# Allegro board RK_EVB1_RK3576_LP4XD200P132SD6_V12_20240530YWQ.brd (continued)
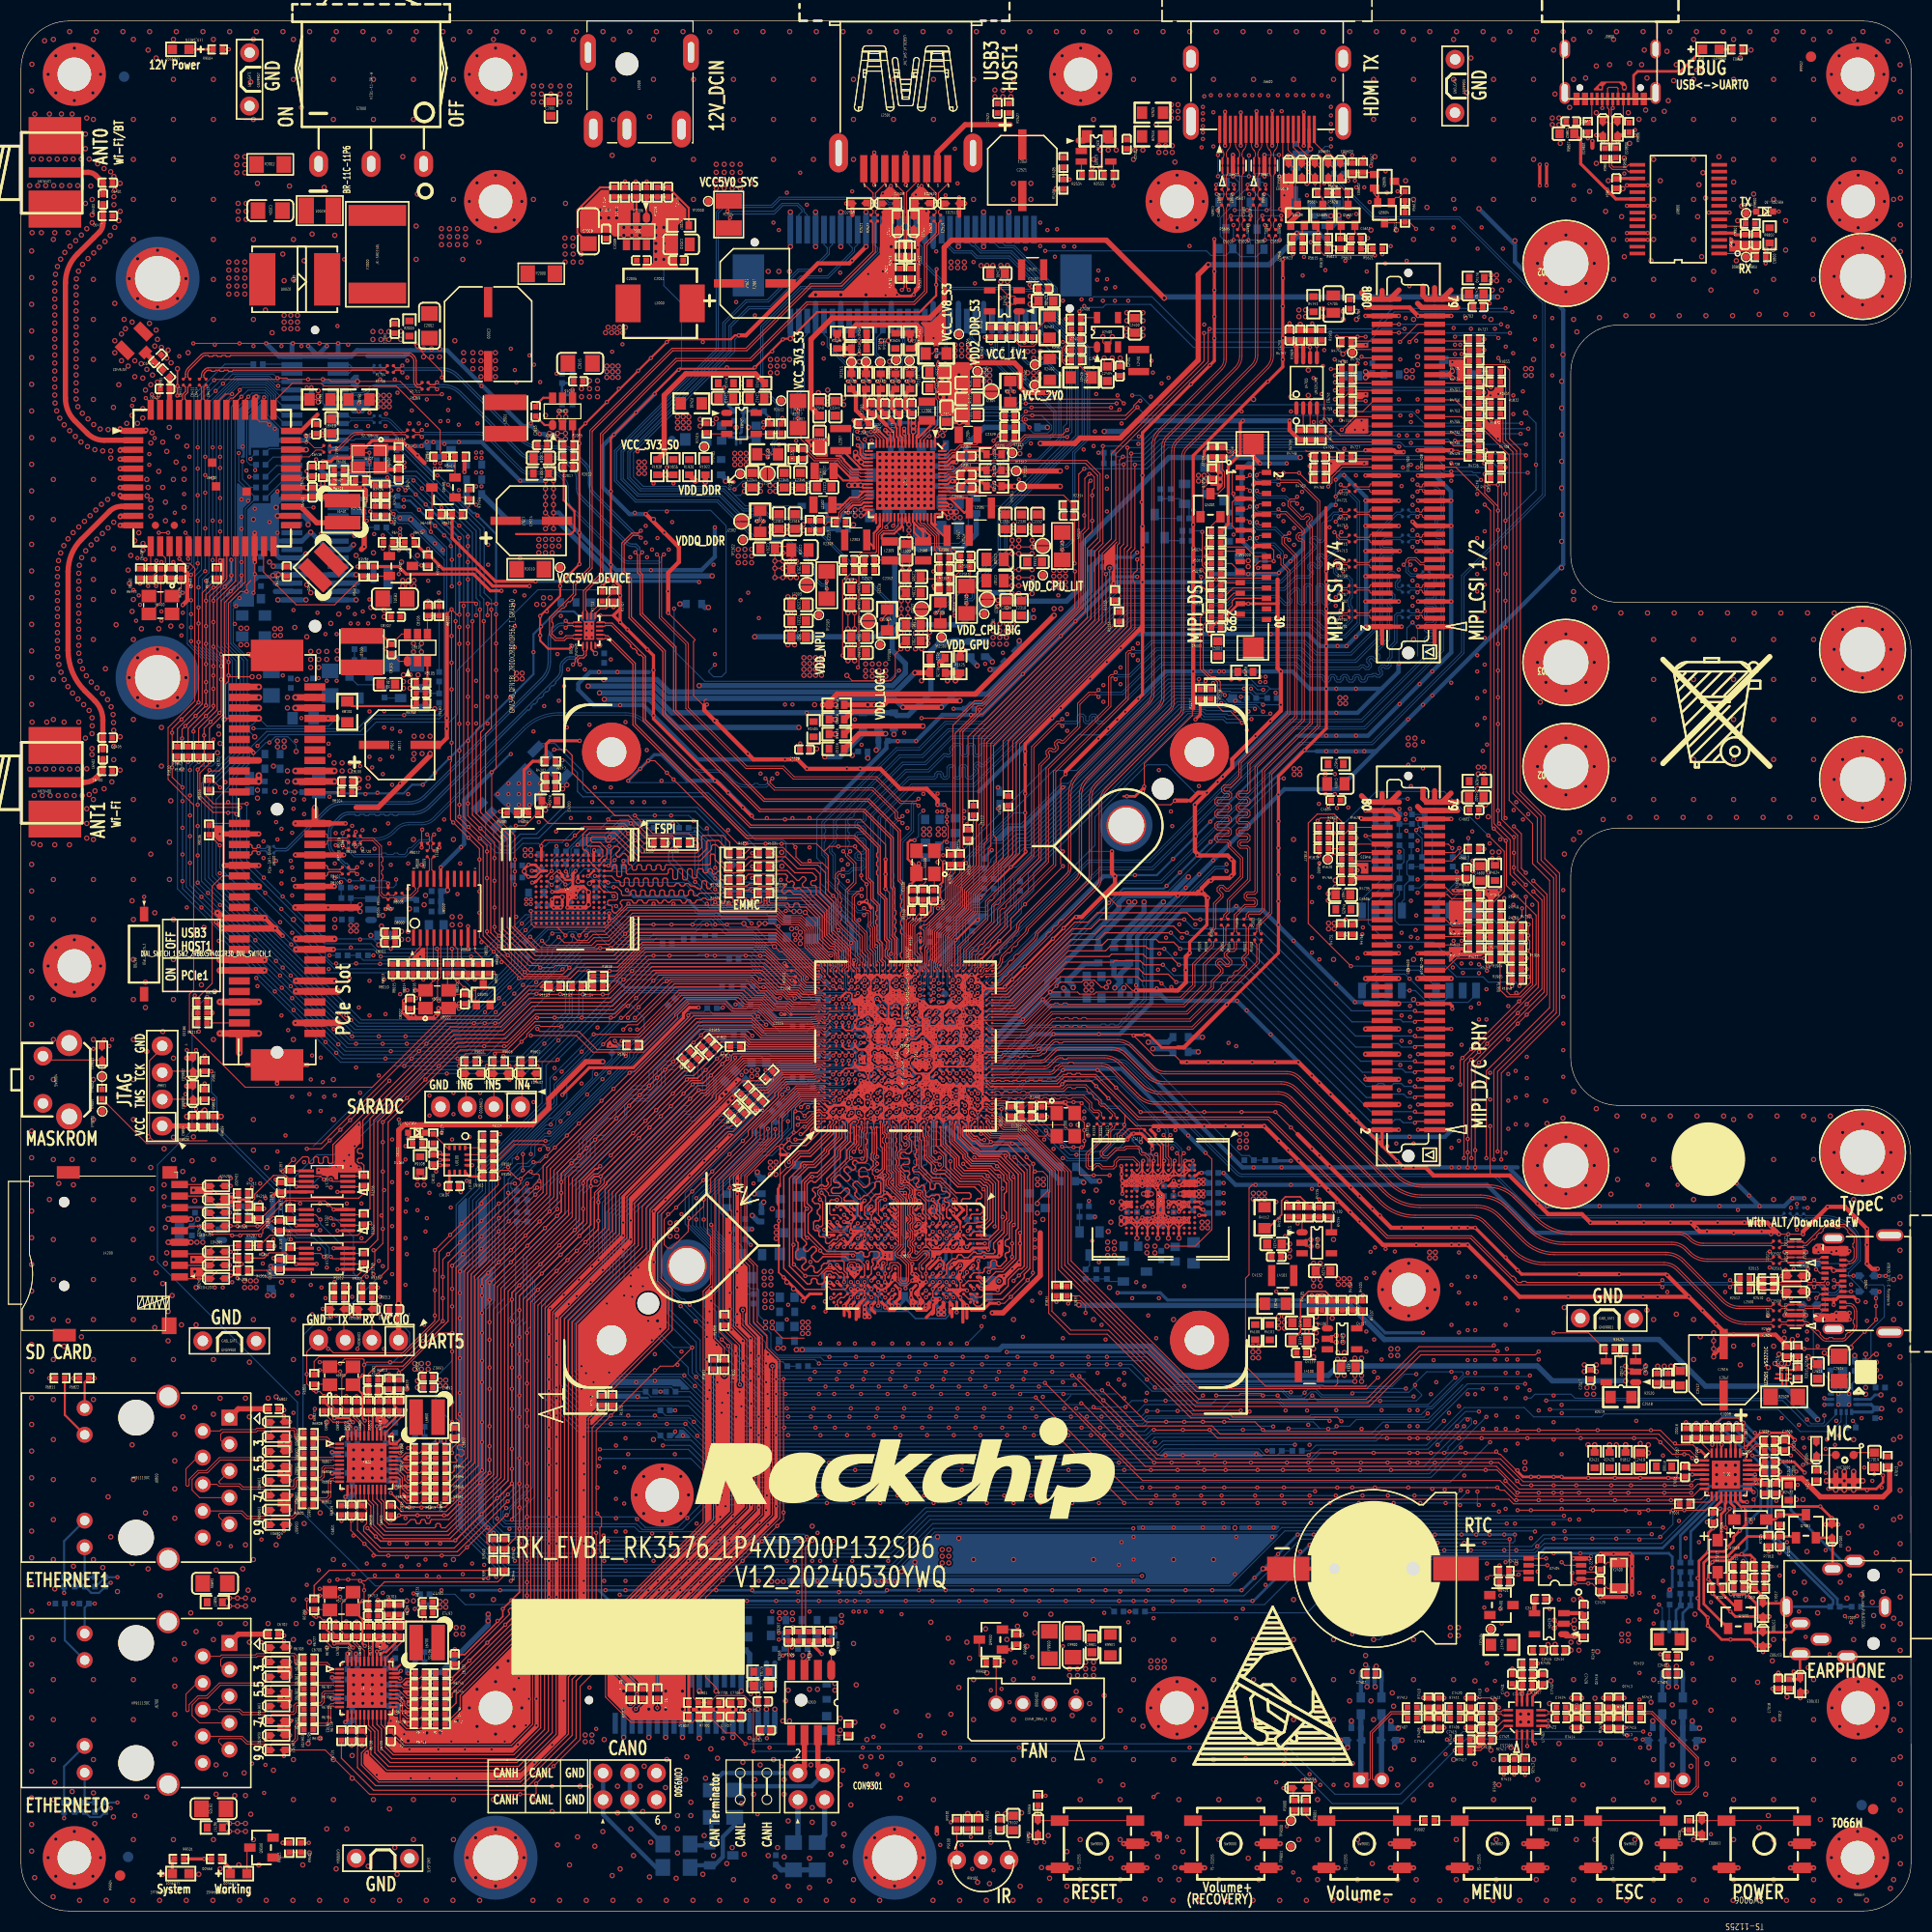
[diagram p0: board, top side]
## Routing (per net, layer and track width the routed paths; a pad name or vN(x,y) marks a point on that pad's centre or on a via; arc(x,y) is an arc through that point) (continued)
  BOTTOM w0.102: C1038.2 72.14,93.81 v1(72.14,93.79) ; C1038.2 72.35,95.2 v2(73.62,95.2) ; C1038.2 70.99,94.97 66.94,94.97 66.39,95.52 65.59,95.52 63.16,97.94 v1(55.92,97.94) 55.92,97.99 54.9,99 54.44,99 v1(54,98.57) 54.17,98.57 54.52,98.21 54.85,98.21 v1(56.43,96.63) ; v1(43.35,123.39) v1(43.35,124.5) ; v1(22.77,67.51) 22.27,67.51 R4202.2 ; v1(39.66,136.72) 39.79,136.72 v1(40.68,135.83) ; v1(63.92,53.67) 61.13,56.46 61.13,58.42 60.43,59.13 60.18,59.13 60.06,59.25 58.69,59.25 58.21,58.77 v1(58.21,58.49) 58.21,57.48 59.35,56.33 59.6,56.33 v1(59.73,56.21) 59.73,56.08 62.14,53.67 v1(63.92,53.67) ; v1(63.92,53.67) 63.92,51.25 v1(64.3,50.87) v1(65.57,49.6) v1(66.78,48.4) v1(68.11,47.06) 69.01,46.16 69.38,46.16 v1(69.51,46.03) 70.95,46.03 v1(70.96,46.05) 70.97,46.03 v1(72.68,46.03) v1(75.67,46.03) v1(77.51,46.03) v1(80.75,46.03) v1(83.29,46.03) v1(85.83,46.03) v1(88.37,46.03) v1(90.91,46.03) v1(93.45,46.03) v1(95.59,46.03) v1(101.01,46.03) v1(102.78,46.03) v1(104.56,46.03) 104.69,46.16 106.96,46.16 107.39,46.59 v1(109.06,46.59) v1(110.78,46.59) v1(112.56,46.59) v1(114.59,46.59) 123.07,46.59 123.71,45.95 ; v1(137.13,40.08) 136.62,39.57 v1(132.71,39.57) v1(130.17,39.57) v1(127.76,39.57) v1(125.22,39.57) v1(122.72,39.57) 122.72,39.56 120.08,39.56 v1(120.07,39.57) v1(117.53,39.57) v1(114.34,39.57) v1(112.39,39.57) v1(109.85,39.57) 109.85,39.56 108.12,39.56 v1(108.12,39.57) v1(101.26,39.57) v1(96.18,39.57) v1(93.64,39.57) v1(91.1,39.57) v1(88.56,39.57) v1(86.02,39.57) v1(83.48,39.57) v1(80.94,39.57) v1(78.4,39.57) v1(75.86,39.57) v1(72.68,39.57) v1(71.03,39.57) v1(68.09,39.57) v1(66.72,39.57) 65.6,39.57 v1(63.46,37.43) 62.56,36.54 59.46,36.54 v1(58.67,37.33) 58.46,37.54 v1(53.6,37.54) v1(50.99,37.54) v1(50.28,37.54) v1(48.19,37.54) 47.81,37.16 46.85,37.16 46.75,37.26 v1(46.75,37.27) ; C2505.2 v1(177.11,46.94) ; 104.31,49.24 v1(99.28,49.24) 99.13,49.39 95.31,49.39 v1(95.16,49.24) v1(92.69,49.24) v1(90.15,49.24) v1(87.61,49.24) v1(85.07,49.24) v1(82.53,49.24) v1(79.99,49.24) v1(77.45,49.24) v1(75.99,49.24) v1(72.81,49.24) v1(71.91,49.24) v1(71.1,49.24) 70.96,49.24 70.88,49.32 70.55,49.32 66.25,53.63 ; v1(48.55,95.24) 48.57,95.22 55.08,95.22 55.69,95.83 56.56,95.83 v1(56.68,95.7) 57.06,95.32 64.05,95.32 64.46,94.91 66.05,94.91 67.01,93.95 v1(67.23,93.95) 67.49,93.69 69.91,93.69 v2(71.76,91.84) 71.97,91.63 76.37,91.63 ; C3815.2 82.29,59.86 v1(82.29,59.89) 82.29,59.93 C3840.2 82.28,60.64 82.28,60.68 v1(82.3,60.71) ; C3815.2 82.29,59.14 v1(82.29,59.09) ; C3815.2 81.64,59.21 v1(81.64,59.09) ; v1(116.89,159.14) 117.08,158.96 Q5600.2 ; v1(116.89,159.14) v1(115.47,159.14) v1(115.47,160.56) ; v1(116.89,159.14) v1(118.47,159.14) ; v1(116.89,159.14) v1(116.89,160.56) ; v1(115.42,165.21) 115.29,165.34 114.13,165.34 v1(114,165.21) v1(114,167.24) ; v1(115.42,165.21) 116.94,165.21 v1(116.94,165.21) ; v1(115.42,165.21) 115.99,164.64 115.99,163.94 115.56,163.51 v1(115.39,163.51) v1(113.89,163.51) 114.1,163.3 Q5601.2 114.1,162.12 v1(113.97,161.99) ; v1(134.66,42.71) 133.96,42 v1(130.47,42) v1(127.55,42) v1(125.39,42) v1(122.72,42) v1(120.18,42) v1(117.77,42) v1(114.72,42) v1(112.69,42) v1(110.15,42) v1(107.61,42) v1(105.07,42) v1(102.3,42) v1(99.76,42) v1(97.22,42) v1(94.68,42) v1(92.14,42) v1(89.6,42) v1(87.06,42) v1(84.52,42) v1(81.98,42) v1(79.44,42) v1(76.9,42) v1(72.68,42) v1(70.26,42) v1(69.55,42) v1(68.44,42) 67.67,42 v1(66.87,42.8) v1(64.41,45.26) v1(63.28,46.39) v1(61.51,46.39) v1(58.84,46.39) v1(57.44,46.39) v1(56.17,46.39) 53.42,46.39 v1(50.28,49.53) v1(50.28,50.62) v1(50.28,52.78) v1(50.28,54.94) 50.28,57.26 v1(50.4,57.39) v1(51.7,58.69) v1(53.14,60.13) v1(54.4,61.38) v1(55.01,61.99) 55.01,67.62 63.12,75.73 63.28,75.89 63.79,75.89 65.52,77.62 65.52,79.4 v1(65.7,79.57) v1(66.8,80.67) v1(67.29,81.17) ; 76.37,91.63 76.37,93.23 C1040.2 ; 76.37,91.63 76.51,91.63 v1(77.14,91) ; 17.44,109.04 18.2,109.04 19.34,110.18 19.34,110.82 v2(18.96,111.2) ; 17.44,109.04 v1(17.44,111.96) 17.44,112.64 v1(18.05,113.25) v1(18.91,114.11) 19.06,114.26 v1(19.06,117.29) v1(19.06,118.56) 19.06,118.89 17.62,120.33 v1(17.62,120.68) v1(17.62,122.37) v1(17.62,124.79) v1(17.62,126.67) 18.25,127.31 v1(18.25,128.65) v1(18.25,132.41) v1(18.25,136.47) v1(18.25,139.39) 18.25,143.7 20.52,145.97 23.56,145.97 24.28,145.25 v1(24.49,145.25) ; 17.44,109.04 17.16,109.04 v1(16.83,108.71) v1(16.83,105.35) v1(16.83,103.32) v1(16.83,100.53) v1(16.83,97.94) v1(17.81,96.96) v1(18.95,95.82) v1(22.32,92.45) v1(24.29,90.48) v1(24.92,89.85) v1(25.68,89.09) v1(26.19,88.58) v1(30.19,84.58) 31.47,83.3 v1(31.54,83.3) v1(34.08,83.3) v1(36.62,83.3) 41.88,83.3 v1(43.14,84.55) v1(44.19,85.6) v1(45.51,86.93) v1(46.53,87.95) v1(47.42,88.84) 47.98,89.4 v1(47.98,89.41) 48,89.41 49.6,91.01 49.6,91.88 49.84,92.12 50.29,92.57 50.29,92.78 v1(50.6,93.1) 50.67,93.16 51.6,93.16 51.85,92.91 v1(51.85,92.91) ; 85.11,91.33 v1(85.11,89.24) 85.11,89.1 84.78,88.77 84.78,88.21 84.92,88.07 v1(85.14,88.07) ; 91.22,76.14 92.24,76.14 93.2,75.18 96.79,75.18 97.62,74.35 v1(97.62,74.32) 97.65,74.32 97.99,73.99 97.99,73.96 v1(99.14,72.8) 99.14,72.76 99.88,72.02 v1(100.51,72.02) 101.96,72.02 102.28,72.33 103.04,72.33 104.09,73.39 104.09,73.87 104.31,74.08 104.97,74.08 105.39,73.67 v1(105.39,73.48) 103.36,71.45 99.61,71.45 99.35,71.7 v1(99.22,71.7) ; 91.22,76.14 v1(91.14,76.07) ; 91.22,76.14 91.47,76.4 93.37,76.4 v1(93.38,76.39) 93.39,76.4 93.79,76.4 93.89,76.3 93.89,76.27 95.32,76.27 96.11,77.07 v1(96.72,77.07) ; v1(98.28,92.59) v1(95.61,89.92) 95.1,89.92 94.4,89.23 v1(94.4,88.72) 94.15,88.72 93.7,88.27 v1(93.7,88.02) ; v1(88.18,104.21) 88.18,104.47 88.13,104.52 ; v1(96.4,71.16) 96.29,71.05 94.91,71.05 94.91,71.58 94.55,71.94 93.78,71.94 v1(93.77,71.94) ; v1(131.77,150.69) 129.59,150.69 v1(128.06,149.16) ; v1(132.77,50.1) 132.63,49.96 132.63,49.86 132.18,49.4 126.91,49.4 v1(126.8,49.3) 126.65,49.15 123.9,49.15 123.35,49.7 122.59,49.7 v1(122.25,49.36) 121.94,49.05 120.8,49.05 120.14,49.71 108.14,49.71 v1(107.99,49.86) v1(107.23,50.62) 105.79,52.06 v1(104.69,52.06) v1(103.42,52.06) v1(101.69,52.06) v1(99.15,52.06) v1(96.61,52.06) v1(94.07,52.06) v1(91.53,52.06) v1(88.69,52.06) v1(86.15,52.06) v1(83.61,52.06) v1(81.07,52.06) v1(78.53,52.06) 76.07,52.06 v1(75.99,52.14) 75.61,52.52 71.64,52.52 v1(71.14,53.01) 70.91,53.25 70.91,54.14 v1(68.21,56.84) v1(68.21,59.38) v1(68.21,60.78) 68.21,61.16 67.72,61.65 67.72,62.98 65.73,64.98 v1(65.73,65.35) v1(65.73,67.89) 65.73,68.07 70.24,72.59 71.09,72.59 73.05,74.54 v1(73.05,75.22) ; v1(132.77,50.1) 132.76,50.1 132.76,50.24 133.87,51.35 v1(136.24,51.35) 137.25,51.35 137.35,51.25 137.35,51.06 134.32,48.03 120.17,48.03 119.66,48.54 115.18,48.54 114.27,47.62 v1(110.15,47.62) v1(108.24,47.62) v1(107.23,47.62) 106.69,47.08 v1(102.91,47.08) v1(101.51,47.08) v1(99.99,47.08) v1(96.69,47.08) v1(94.15,47.08) v1(91.61,47.08) v1(89.07,47.08) v1(86.53,47.08) v1(83.99,47.08) v1(81.45,47.08) v1(78.91,47.08) v1(77,47.08) v1(75.22,47.08) 73.07,47.08 v1(73.07,47.09) v1(71.91,47.09) v1(70.26,47.09) 70.13,47.21 69.46,47.21 v1(68.61,48.07) v1(67.34,49.34) v1(66.32,50.35) v1(65.32,51.36) v1(65.32,52.52) v1(65.32,54.68) 65.32,55.11 v1(64.26,56.16) v1(62.82,57.6) 60.26,60.16 v1(60.26,61.79) v1(60.26,63.95) v1(60.26,66.63) v1(61.38,67.75) v1(63.67,70.04) v1(65.07,71.44) v1(66.27,72.64) v1(67.49,73.86) 67.81,73.86 72.31,78.35 v1(73.06,78.35) ; v1(132.77,50.1) 132.77,49.81 133.39,49.19 133.39,49.09 132.88,48.58 v1(129.44,48.58) 123.49,48.58 v1(122.98,49.09) 122.49,48.6 120.16,48.6 v1(119.67,49.09) v1(118.28,49.09) v1(113.83,49.09) ; v1(48.56,72.09) 48.56,72.76 49.86,74.06 50.22,74.06 v1(50.3,74.14) 50.51,74.14 51.38,75.01 v1(51.38,75.22) v1(52.14,75.98) v1(53.92,77.76) v1(55.38,79.22) v1(56.02,79.86) v1(57.6,81.44) ; v1(119.31,128.55) 118.5,129.36 117.39,129.36 116.91,129.83 v1(117.37,129.83) ; 91.99,84.85 92.3,85.16 93.69,85.16 99.51,90.98 ; v1(143.3,48.84) 143.8,48.84 144.19,49.22 147.61,49.22 148,48.84 148.38,48.84 148.4,48.82 168.08,48.82 v1(170.09,46.81) 170.5,46.4 171.59,46.4 171.74,46.55 v1(171.74,47.19) ; 123.71,45.95 v1(120.71,45.95) 120.54,45.77 118.33,45.77 v1(118.28,45.83) v1(116.37,45.83) v1(113.2,45.83) v1(110.66,45.83) v1(107.89,45.83) 107.68,45.83 107.17,45.32 v1(104.82,45.32) v1(103.16,45.32) v1(101.89,45.32) v1(99.74,45.32) v1(96.46,45.32) v1(93.92,45.32) v1(91.38,45.32) v1(88.84,45.32) v1(86.3,45.32) v1(83.76,45.32) v1(81.22,45.32) v1(78.68,45.32) v1(76.14,45.32) v1(73.07,45.32) v1(71.91,45.32) v1(70.26,45.32) 68.86,45.32 v1(66.73,47.45) v1(65.39,48.79) v1(64.19,49.99) v1(63.17,51.01) 63.05,51.13 56.12,51.13 56.02,51.23 v1(56.02,51.28) 55.86,51.13 53.91,51.13 v1(53.81,51.22) 53.38,51.65 v1(53.38,51.89) 53.35,51.92 53.35,55.78 55.32,57.74 55.68,57.74 v1(55.79,57.86) 56.11,58.17 56.11,58.32 58.07,60.28 v1(58.07,60.52) v1(58.07,63.96) ; 123.71,45.95 125.07,45.95 v1(125.29,46.17) 126.53,46.17 127.17,46.81 133.99,46.81 137.31,50.13 ; 67.99,134.82 67.12,135.68 59.25,135.68 58.33,136.6 58.33,138.88 67.99,148.53 67.99,149.68 v1(68.37,150.06) ; 67.99,134.82 68.5,134.82 v2(68.9,135.21) ; 67.99,134.82 68.98,133.82 D2301.1 ; 63.54,107.64 63.37,107.47 58,107.47 v1(57.83,107.64) ; v2(35.06,56.71) 35.4,56.71 37.01,55.1 37.01,53.84 35.19,52.01 v1(32.68,52.01) ; v2(128.81,25.85) 129.39,25.85 130.85,27.31 v1(130.85,27.66) 130.85,32.69 v1(130.9,32.74) 131.67,33.5 144.42,33.5 144.5,33.43 145.14,34.07 v1(145.96,34.07) ; v2(22.26,111.83) 21.79,112.3 21.79,112.78 21.99,112.99 22.06,112.99 v2(22.65,113.58) 22.68,113.58 23.41,112.84 29.3,112.84 30.04,113.58 v1(30.06,113.58) ; 131.2,118.79 v1(131.23,118.82) ; v1(131.23,118.82) 131.23,120.21 131.99,120.98 131.99,122.18 v1(132.53,122.72) 133.01,122.24 133.01,119.52 ; v1(131.23,118.82) 132.3,118.82 ; C3841.2 88.31,67.48 88.31,67.13 87.8,66.62 87.8,65.8 v1(87.49,65.49) ; 42.56,131.11 v1(41.74,131.94) v1(38.19,135.48) 37.23,136.45 33.46,136.45 33.09,136.82 v1(33.09,136.85) ; v1(70.97,84.41) 64.96,84.41 62.17,81.62 62.17,80.95 v1(62.13,80.91) 62.08,80.96 61.37,80.96 60.58,80.16 60.58,79.36 v1(60.58,79.36) 60.58,78.53 59.76,77.71 v1(58.93,77.71) 58.12,77.71 56.68,76.27 56.68,75.51 v1(56.71,75.49) 55.9,75.49 53.87,73.46 v1(53.87,72.65) 53.87,71.84 53.24,71.21 v1(52.43,71.21) 50.34,69.12 50.34,66.62 v1(50.34,66.62) ; v1(41.06,53.28) 41.06,52.4 39.51,50.85 39.51,48.1 v1(41.06,46.55) v1(41.06,43.63) ; v1(116.94,165.21) 117.26,165.21 117.52,165.47 118.16,165.47 v1(118.42,165.21) ; v1(116.94,165.21) v1(116.94,167.19) ; C1702.2 79.54,110.43 v2(79.16,110.05) ; 76.16,99.85 76.16,99.91 75.79,100.27 75.79,104.12 76.53,104.85 ; 76.16,99.85 76.14,99.86 ; 76.16,99.85 76.16,97.86 v1(77.34,96.68) 79.54,94.49 79.54,94.26 79.8,94 79.8,91.66 80.81,90.65 80.81,89.23 80.98,89.06 80.98,87.45 80.92,87.4 ; v1(90.5,75.42) 90.5,74.85 90.6,74.75 91,74.75 91.43,74.31 v1(91.43,74.01) ; v1(112.56,49.09) 112.07,48.6 v1(109.01,48.6) v1(107.11,48.6) 105.8,48.6 v1(105.2,48) v1(102.15,48) 102.02,47.87 v1(100.5,47.87) v1(99.35,47.87) v1(96.31,47.87) v1(94.27,47.87) v1(91.73,47.87) v1(89.19,47.87) v1(86.65,47.87) v1(84.11,47.87) v1(81.57,47.87) v1(79.03,47.87) v1(75.48,47.87) v1(72.94,47.87) v1(71.16,47.87) 69.99,47.87 v1(69.55,48.31) 69.03,48.83 69.03,48.86 v1(68.44,49.45) 68.11,49.78 68.11,50.36 ; v1(135.55,43.63) 135.91,43.99 135.91,44.16 138.14,46.39 138.14,46.88 138.04,46.98 137.5,46.98 136.77,46.25 v1(136.77,46.17) 136.69,46.17 v1(134.91,44.39) ; C2357.2 81.11,139.96 v1(81.01,140.05) ; R7004.2 J7000.1 ; v1(79.24,62.43) 79.76,62.43 C3802.2 ; v1(85.88,94.71) 85.66,94.49 v1(85.66,92.67) 85.11,92.12 85.11,91.64 ; v1(67.42,96.01) v1(68.75,96.01) 70.56,96.01 v1(70.91,96.36) ; v1(48.99,68.23) 48.81,68.41 48.81,69.16 49.17,69.52 v1(49.36,69.52) ; v1(85.1,101.98) 85.48,102.36 85.48,104.4 85.64,104.56 85.7,104.56 v1(85.94,104.8) ; 67.87,25.99 67.87,25.48 v2(67.48,25.09) ; 67.87,25.99 67.61,25.73 v2(66.97,25.73) ; 67.87,25.99 67.36,26.49 v2(66.97,26.49) ; 46.78,55.82 47.28,56.33 47.28,56.46 47.47,56.65 v1(47.47,57.22) ; 46.78,55.82 46.78,53.94 v1(46.75,53.92) v1(46.75,51.76) v1(46.75,49.73) v1(46.75,47.82) v1(46.75,44.01) v1(46.75,42.11) v1(46.75,40.71) 46,39.96 46,38.57 46.2,38.37 v1(46.21,38.37) ; 46.78,55.82 46.78,56.18 v1(46.75,56.21) ; v1(26.2,68.99) 27.53,68.99 38.3,79.76 v1(40.55,79.76) v1(41.7,79.76) v1(44.2,79.76) 48.03,79.76 v1(51.18,82.91) 53.51,85.24 v1(53.51,87.29) 53.51,88.1 54.28,88.88 57.21,88.88 v1(57.38,88.71) 69.06,88.71 R9601.2 69.79,87.98 v1(70.7,87.98) 72.62,87.98 v1(73.69,86.91) 74.01,86.91 C1110.2 ; 28.65,91.58 v1(29.76,91.58) 33.59,91.58 v1(34.26,90.9) v1(38.01,90.9) v1(42.87,90.9) 44.55,90.9 v1(45.01,91.37) v1(45.52,91.87) v1(47.7,94.05) 48.33,94.68 55.41,94.68 55.74,95.01 v1(56.01,95.01) 56.17,95.01 57.23,93.95 v1(58.43,93.95) v1(60.24,93.95) v1(61.95,93.95) v1(63.96,93.95) 63.96,94.01 64.45,94.5 65.76,94.5 66.11,94.14 v1(66.11,93.95) ; 28.65,91.58 29,91.23 29,90.88 29.67,90.2 v1(34.2,90.2) 44.84,90.2 45.68,91.03 v1(46.36,91.03) 46.09,91.3 46.09,91.45 v1(46.53,91.88) v1(48.05,93.41) 48.82,94.18 55.87,94.18 v1(56,94.31) 56.3,94.31 v1(57.54,93.06) 57.72,93.24 64.24,93.24 64.95,93.95 v1(65.32,93.95) ; 28.65,91.58 v1(24.79,95.43) v1(23.26,96.97) v1(22.65,97.58) 20.51,99.71 v1(20.51,104.47) 20.51,108.04 22.14,109.67 v1(22.14,110.31) 22.36,110.31 23.33,111.28 v1(23.66,111.28) 24.21,111.83 25.41,111.83 26.2,111.04 v2(26.2,110.43) ; 171.22,56.77 171.81,57.37 171.81,58.31 171.17,58.95 v1(170.32,58.95) ; v1(138.7,39.95) 138.7,38.81 ; 138.7,38.81 v1(138.84,38.67) ; 138.7,38.81 138.65,38.86 v1(135.68,38.86) v1(133.26,38.86) v1(130.72,38.86) v1(127.42,38.86) v1(124.63,38.86) v1(122.85,38.86) v1(120.31,38.86) v1(117.77,38.86) v1(114.47,38.86) v1(112.69,38.86) v1(110.15,38.86) v1(107.61,38.86) v1(105.07,38.86) v1(102.66,38.86) v1(100.12,38.86) v1(97.07,38.86) v1(94.53,38.86) v1(91.99,38.86) v1(89.45,38.86) v1(86.91,38.86) v1(84.37,38.86) v1(81.83,38.86) v1(79.29,38.86) v1(76.75,38.86) 68.67,38.86 v1(68.62,38.81) 68.49,38.68 67.22,38.68 v1(67.1,38.55) 64.67,36.13 58.88,36.13 58.42,36.59 45.95,36.59 45.35,37.18 v1(45.35,37.38) v1(45.35,39.31) 45.35,56.84 v1(46.75,58.24) ; v1(65.7,59.25) 65.06,58.62 65.06,57.6 v1(65.57,57.09) ; v1(63.1,77.86) v1(61.89,76.65) ; 68.11,50.36 68.11,50.52 68.21,50.62 68.48,50.62 70.55,48.55 99.45,48.55 99.99,49.09 ; 68.11,50.36 67.1,50.36 66.25,51.21 66.25,53.63 ; 51.15,99.09 50.99,99.24 R4005.2 51.07,99.74 51.52,100.19 52.02,100.19 52.38,100.54 52.38,101.14 52.64,101.4 52.88,101.4 v1(53.03,101.54) 53.54,102.06 55.8,102.06 v1(56.05,102.31) 56.43,102.31 57.71,103.59 v1(58.07,103.59) v1(62.07,103.59) 62.12,103.53 62.12,102.95 62.34,102.73 64.3,102.73 65.19,101.84 65.19,99.26 v1(66.11,98.34) 67.33,97.12 v1(69.67,97.12) 75.84,97.12 79.06,93.9 v1(79.06,92.2) ; C1406.2 89.44,80.3 89.14,80.3 88.99,80.44 88.48,80.44 C1802.2 ; v1(96.31,142.44) 97.18,142.44 98.15,141.46 98.15,141.13 97.77,140.75 96.42,140.75 96.05,141.11 v1(96.05,141.3) ; v1(165.14,41.56) 164.89,41.31 164.89,40.58 165.39,40.08 165.39,39.57 165.14,39.31 165.14,38.68 164.76,38.3 v1(164,38.3) 163.98,38.31 v1(162.72,38.31) 161.91,38.31 161.9,38.31 v1(161.82,38.31) ; v1(45.51,67.38) v1(45.51,65.98) 45.51,61.79 v1(45.51,61.79) ; v1(75.66,90.21) 75.61,90.26 v1(72.72,90.26) 71.12,90.26 v1(70.4,90.98) 69.67,91.71 v1(56.17,91.71) ; v1(106.67,73.22) 106.47,73.22 105.88,73.81 105.88,73.96 v1(105.96,74.04) 105.78,74.04 105.07,74.75 v1(105.07,74.87) 104.93,75.01 102.92,75.01 v1(101.01,76.93) 100.9,77.03 v1(100.24,77.03) v1(99.48,77.03) ; v1(21.65,119.71) 21.5,119.71 21.46,119.66 21.31,119.66 20.21,120.76 20.21,124 v1(20.49,124.28) ; v1(66.08,118.69) 65.51,118.12 65.51,117.99 65.95,117.55 66.72,117.55 67.15,117.98 67.15,131.92 65.67,133.4 59.86,133.4 v1(59.5,133.04) ; v1(70.91,96.36) 71.1,96.55 75.52,96.55 78.49,93.59 78.49,91.39 v1(79.35,90.53) ; v1(70.91,96.36) 70.71,96.55 66.86,96.55 v1(66.11,97.3) 65.21,98.2 65.21,98.22 64.53,98.91 64.53,101.7 v1(64.15,102.08) 63.92,102.31 62.16,102.31 61.87,102.61 v1(57.83,102.61) 56.63,101.41 v1(56.03,101.41) ; v1(47.59,69.72) 48.4,70.53 48.43,70.53 49.79,71.89 v1(50.02,71.89) v1(50.84,72.72) v1(51.98,73.86) v1(53.13,75) v1(55.29,77.16) v1(56.43,78.3) v1(57.95,79.83) 58.22,79.83 63.55,85.15 v1(63.55,85.3) ; C6709.2 34.5,25.05 v1(34.23,25.32) ; 101.39,50.65 v1(95.48,50.65) v1(92.94,50.65) v1(90.4,50.65) v1(87.86,50.65) v1(85.32,50.65) v1(82.78,50.65) v1(80.24,50.65) v1(77.7,50.65) v1(75.16,50.65) v1(72.62,50.65) v1(71.91,50.65) 71.51,50.65 69.51,52.65 v1(69.51,53.16) 69.51,53.53 v1(68.74,54.3) v1(67.68,55.36) 66.84,56.2 66.84,62.71 64.32,65.24 v1(64.32,65.86) v1(64.32,67.89) 64.32,67.9 70.27,73.86 70.53,73.86 71.13,74.46 v1(71.13,74.49) ; v1(29.89,98.37) 30.77,98.37 31.03,98.12 v1(31.28,98.12) 32.31,98.12 v1(32.48,98.28) 32.77,98.28 32.93,98.12 34.71,98.12 v1(34.97,97.86) ; v1(51.49,79.94) v1(53.4,81.84) 56.05,84.5 56.05,85.07 57.33,86.35 57.53,86.35 57.69,86.19 v1(57.81,86.19) 57.93,86.31 58.07,86.31 59.35,85.03 59.35,83.98 50.46,75.09 v1(50.46,74.9) 50.43,74.87 50.01,74.87 47.25,72.11 v1(47.25,71.71) 46.88,71.71 46.78,71.61 46.78,71.21 v1(46.4,70.83) 46.04,70.83 45.41,70.2 45.41,69.89 v1(45.51,69.79) ; C2368.2 78.79,132.52 v2(79.29,132.02) 78.82,131.56 R2332.2 ; v1(48.81,71.32) 48.39,70.9 47.63,70.9 46.4,69.67 v1(46.4,68.4) 46.4,65.73 v1(46.44,65.68) ; v1(67.96,135.4) 68.73,136.17 75.69,136.17 79.03,139.52 79.03,141.18 81.1,143.25 94.57,143.25 95.31,143.98 v1(96.21,143.98) ; v1(136.69,94.31) 139.11,94.31 139.38,94.57 139.67,94.57 140.12,94.12 140.12,93.92 ; v1(69.65,83.35) 69.11,83.89 65.24,83.89 v1(64.76,83.41) v1(64.06,82.71) 63.93,82.71 62.99,81.77 62.99,80.8 62.31,80.12 v1(61.34,80.12) 61.34,78.65 59.83,77.14 58.36,77.14 v1(57.91,76.69) 57.7,76.48 57.7,75.68 55.48,73.45 v1(54.67,73.45) 54.67,71.93 53.24,70.49 52.53,70.49 v1(51.45,69.41) v1(51.45,68.4) 51.45,66.59 v1(51.05,66.19) ; R2504.2 v1(170.16,66.96) ; v1(53.15,71.93) 53.15,73.46 58.29,78.6 v1(59.82,78.6) 59.82,79.99 64.84,85.02 70.01,85.02 v1(70.19,85.19) ; v1(79.67,88.67) 79.42,88.92 79.42,89.49 77.86,91.04 v1(77.86,93.41) 77.64,93.64 77.64,93.84 75.65,95.83 71.29,95.83 70.85,95.39 67.23,95.39 66.53,96.08 v1(66.11,96.08) 66.11,96.18 64.28,98.01 v1(64.21,98.01) 64.21,98.08 62.07,100.22 v1(62.07,101.16) 62.07,101.82 61.69,102.19 58.65,102.19 v1(56.53,100.07) 56.37,99.92 55.69,99.92 55.41,99.64 53.4,99.64 v1(52.81,99.05) 52.81,98.83 52.18,98.2 51.78,98.2 51.12,97.55 C4003.2 50.77,97.07 v1(50.59,97.07) 50.59,97.19 50.19,97.58 50.19,98.1 50.48,98.39 v1(50.54,98.39) ; v1(140.7,149.8) 140.45,150.06 136.69,150.06 v1(136.57,149.93) ; v1(115.59,161.99) 116.76,161.99 v1(116.77,162) 116.88,162 ; 54.52,100.47 53.43,100.47 52.24,99.29 52.24,98.86 52.04,98.65 51.58,98.65 v1(51.23,99) ; 54.52,100.47 55.6,100.47 C4007.2 v1(56.03,101.41) ; 54.52,100.47 54.24,100.76 54.24,101.31 54.34,101.41 v1(56.03,101.41) ; v1(41.57,81.18) v1(37.2,81.18) v1(34.71,81.18) 30.57,81.18 v1(30.03,81.73) v1(29,82.76) v1(25.96,85.8) v1(24.18,87.58) 19.36,92.4 v1(18.84,92.4) ; v1(141.38,132.42) 144.28,135.33 v1(144.28,137.74) 144.28,141.7 v2(143.3,142.69) ; v1(49.83,88.08) 49.83,88.44 53.1,91.71 53.38,91.71 53.38,91.71 v1(55.16,91.71) v1(56.17,91.71) ; v1(49.83,88.08) 50.47,88.08 v1(52.23,89.84) 53.36,90.97 60.22,90.97 v1(60.24,90.99) v1(61.76,90.99) 64.43,90.99 64.57,91.13 68.91,91.13 69.03,91.01 v1(69.03,90.99) 69.4,90.99 70.7,89.69 73.98,89.69 v1(74.85,88.82) ; v1(49.83,88.08) 49.82,88.08 v1(49.1,87.35) v1(44.11,82.36) ; v1(132.88,51.13) 131.74,51.13 130.58,49.96 124.14,49.96 123.99,50.11 109.9,50.11 107.23,52.78 v1(103.42,52.78) v1(101.64,52.78) v1(98.21,52.78) v1(94.91,52.78) v1(91.99,52.78) v1(89.7,52.78) v1(87.16,52.78) v1(84.62,52.78) v1(82.08,52.78) v1(79.54,52.78) v1(77,52.78) 76.88,52.78 76.73,52.92 72.06,52.92 71.41,53.57 71.41,55.03 v2(70.91,55.54) v2(70.91,56.08) 70.27,56.71 70.27,59.15 70.17,59.25 69.52,59.25 69,59.77 69,61.02 68.13,61.9 68.13,63.15 67.48,63.8 67.48,65.63 66.63,66.49 66.63,68.17 66.73,68.27 Q3801.2 67.23,68.76 67.33,68.86 67.49,68.86 v1(67.5,68.87) 67.48,68.89 67.48,69.03 67.58,69.13 67.81,69.13 v1(68.21,69.54) 70.63,71.95 71.54,71.95 v2(72.43,72.84) 72.43,73.22 73.35,74.14 v1(73.59,74.14) 73.63,74.17 73.63,75.97 73.7,76.04 73.7,76.07 73.75,76.12 v1(73.75,76.17) 73.78,76.14 74.53,76.14 v1(74.95,76.56) 75.3,76.91 75.97,76.91 76.99,75.89 ; v1(53.17,92.91) 53.52,93.26 54.62,93.26 v1(56.17,91.71) ; v1(53.17,92.91) 52.82,93.26 52.2,93.26 v1(51.85,92.91) ; v1(53.17,92.91) 53.17,92.57 v1(49.07,88.46) v1(45.16,84.55) 42.49,81.89 v1(37.91,81.89) v1(35.22,81.89) 30.87,81.89 v1(30.22,82.54) v1(25.82,86.94) v1(24.84,87.92) v1(23.18,89.58) v1(19.18,93.58) 18.58,94.18 v1(18.58,94.18) 15.38,97.38 v1(15.38,98.08) v1(15.38,100.62) v1(15.38,103.16) v1(15.38,105.7) v1(15.38,107.01) 15.34,107.05 v1(15.34,108.78) v1(15.34,111.67) 15.34,112.54 v1(15.66,112.85) v1(16.63,113.83) v1(17.62,114.82) v1(17.62,116.15) v1(17.62,117.04) v1(17.62,118.76) 17.62,119.18 16.2,120.6 16.2,120.93 v1(16.2,120.94) 16.2,120.94 v1(16.2,122.25) v1(16.2,123.52) v1(16.2,124.84) v1(16.2,126.18) v1(16.2,127.26) 16.83,127.9 v1(16.83,128.34) v1(16.83,132.41) v1(16.83,134.83) v1(16.83,137.37) v1(16.83,139.39) 16.83,144.23 v1(18.4,145.8) ; R2503.2 v1(170.16,65.27) ; v1(98.44,144.47) 98.19,144.22 97.52,144.22 94.08,147.66 CON9700.53 ; v1(115.65,115.26) 115.74,115.26 115.91,115.09 118.09,115.09 v1(118.29,114.88) 119.92,114.88 120.02,114.98 120.02,116.29 119.92,116.39 118.99,116.39 118.95,116.43 ; 68.12,24.59 67.74,24.59 v2(67.48,24.33) ; v1(43.7,102.15) 43.89,102.15 45.25,100.78 46.9,100.78 47.79,101.67 49.3,101.67 v1(49.55,101.42) 49.93,101.42 50.28,101.77 51.57,101.77 52.87,103.07 v1(53.43,103.07) 55.16,103.07 55.92,103.83 v1(55.92,103.96) 56.3,104.34 v1(58.46,104.34) v1(60.37,104.34) v1(61.91,104.34) 63.61,104.34 65.01,102.94 65.14,102.94 v1(65.32,103.12) 65.45,102.99 65.45,102.5 66.11,101.83 v1(66.11,99.36) 67.78,97.69 71.85,97.69 v1(72.37,98.21) ; v1(133.01,137.49) 135.17,137.49 135.55,137.1 v1(136.21,137.1) 138.19,137.1 138.32,136.98 138.98,136.98 ; v2(19.34,113.48) 19.6,113.48 19.76,113.65 v1(19.76,117.67) v1(19.76,118.94) 19.76,118.97 v1(19.06,119.67) v1(18.32,120.41) v1(18.32,122.75) v1(18.32,124.79) v1(18.32,126.06) 18.32,126.37 18.96,127.01 v1(18.96,128.6) v1(18.96,131.39) v1(18.96,132.35) v1(18.96,134.56) v1(18.96,137.43) v1(18.96,138.5) v1(18.96,139.39) 18.96,143.83 20.69,145.56 23.39,145.56 24.89,144.07 CON6500.49 ; v1(26.2,65.3) 26.2,66.15 25.26,67.1 25.26,69.98 24.93,70.3 v1(24.93,70.43) ; v1(103.9,100.91) 101.7,100.91 ; 101.7,100.91 102.28,101.48 102.28,104.21 107.23,109.16 109.13,109.16 111.8,106.5 v1(112.94,106.5) ; 101.7,100.91 v1(93.16,92.37) ; v1(47.03,97.73) 46.84,97.93 C4002.2 ; v1(118.47,159.14) v1(119.89,159.14) v1(119.89,160.56) ; v1(118.47,159.14) v1(118.47,160.56) ; v1(90.01,99.8) 90.26,100.06 90.26,100.23 94.62,104.59 v1(95.63,104.59) ; v1(15.66,131.26) 16.27,130.65 16.27,128.44 v1(15.79,127.96) ; v1(92.88,81.82) 92.64,81.58 91.72,81.58 v1(91.59,81.72) ; v1(86.84,64.04) 86.84,64.2 86.95,64.3 ; R1301.2 90.43,78.43 92.37,78.43 92.75,78.81 94.44,78.81 95.71,80.08 v1(99.23,80.08) 99.35,80.21 ; 29.05,143.27 28.75,143.57 v1(28.75,145.87) ; v1(46.21,38.37) 46.46,38.37 48.19,40.1 v1(48.19,40.46) v1(48.19,42.62) v1(48.19,46.17) v1(48.19,47.7) v1(48.19,50.24) v1(48.19,52.4) v1(48.19,55.06) 48.19,55.32 48.53,55.66 48.53,60.66 v1(52.73,64.86) 52.87,65 52.87,68.65 v1(53.55,69.33) ; v1(46.21,38.37) 45.91,38.06 45.91,37.41 46.17,37.16 46.64,37.16 v1(46.75,37.27) ; 116.88,162 116.97,162 117.08,162.1 Q5603.2 117.08,163.41 v1(116.97,163.51) ; 116.88,162 116.89,161.99 v1(118.63,161.99) 118.79,161.99 ; 118.79,161.99 119.04,162.24 119.04,163.18 118.71,163.51 v1(118.39,163.51) ; 118.79,161.99 119.64,161.99 arc(119.8,162.02) v1(119.93,162.11) ; 53.63,69.29 53.63,69.54 55.03,70.94 v1(55.16,70.94) 55.16,70.96 v1(56.16,71.96) 58.28,74.08 v1(58.3,74.08) v1(59.48,75.26) v1(60.49,76.27) v1(62.08,77.86) ; 66.25,53.63 v1(66.25,53.92) 66.03,54.14 66.03,55.39 v1(65.39,56.03) v1(63.68,57.74) 63.15,58.27 62.94,58.27 60.83,60.38 60.83,66.23 72.35,77.75 v1(72.49,77.75) ; 76.99,75.89 76.99,76.21 77.38,76.61 77.83,76.61 77.87,76.65 77.92,76.65 77.97,76.71 77.98,76.71 v1(78.51,77.23) ; 76.99,75.89 76.99,75.82 v1(77.34,75.47) ; 88.49,69.14 88.51,69.17 v1(88.51,71.41) 88.51,73.52 87.19,74.84 C1303.2 ; v1(125.21,136.31) v1(125.21,134.72) v1(125.21,133.91) ; v1(41.75,123.46) v1(41.75,122.29) ; v1(46.75,37.27) 46.75,37.29 48.94,39.47 48.94,60.04 v1(49.6,60.71) v1(51.4,62.5) v1(53.19,64.3) 53.51,64.62 53.51,68.26 v1(54.27,69.03) 54.27,69.53 54.7,69.96 v1(55.2,69.96) ; 133.05,86.56 130.22,86.56 ; v1(163.87,33.99) 164.38,33.48 164.38,30.17 v1(164.38,30.17) ; v1(51.85,92.91) 51.85,92.78 50.59,91.51 50.59,90.98 v1(49.46,89.85) v1(47.8,88.2) v1(46.98,87.37) v1(46.03,86.42) v1(45.21,85.6) v1(44.16,84.55) 42.2,82.59 v1(38.61,82.59) v1(36.74,82.59) v1(34.44,82.59) v1(31.9,82.59) 31.17,82.59 v1(29.78,83.99) v1(26.19,87.58) v1(25.69,88.08) v1(24.67,89.09) v1(23.19,90.58) v1(19.19,94.58) v1(18.7,95.06) v1(17.18,96.59) 16.09,97.67 v1(16.09,99.83) v1(16.09,102.37) v1(16.09,104.34) v1(16.09,106.24) v1(16.09,108.66) 16.09,109.09 16.42,109.42 v1(16.42,112.34) 16.42,112.63 v1(17.61,113.82) 18.32,114.52 v1(18.32,114.78) v1(18.32,116.4) v1(18.32,117.67) v1(18.32,118.56) 18.32,119.05 16.91,120.47 v1(16.91,120.85) v1(16.91,122.63) v1(16.91,124.15) v1(16.91,126.06) 16.91,126.97 v1(17.54,127.6) v1(17.54,131.67) v1(17.54,135.07) v1(17.54,136.75) v1(17.54,138.5) 17.54,143.77 v1(18.54,144.77) v1(19.24,145.47) 20.15,146.38 24.04,146.38 v1(24.42,145.99) ; v1(68.75,73.35) v1(67.48,72.08) v1(65.83,70.43) v1(65,69.6) v1(63.92,68.52) 63.61,68.21 v1(63.61,65.98) 63.61,65.37 64.6,64.38 66.44,62.54 66.44,59.19 65.73,58.49 v1(65.73,58.11) 66.44,57.4 66.44,54.73 v1(66.73,54.43) v1(67.36,53.8) v1(68.07,53.1) 68.76,52.4 v1(68.77,52.4) 68.77,52.39 v1(69.47,51.69) v1(70.26,50.91) 71.22,49.94 v1(76.62,49.94) v1(79.16,49.94) v1(81.7,49.94) v1(84.24,49.94) v1(86.78,49.94) v1(89.32,49.94) v1(91.86,49.94) v1(94.4,49.94) v1(96.94,49.94) 100.21,49.94 v1(100.37,50.11) 100.54,49.94 101.39,49.94 ; v1(123.24,164.55) 123.24,163.74 124.86,162.12 125.8,162.12 125.9,162.22 125.9,163.13 124.63,164.4 v1(124.63,164.54) ; 27.82,72.81 35.49,80.48 v1(36.5,80.48) v1(39.79,80.48) v1(41.7,80.48) v1(44.36,80.48) v1(46.52,80.48) v1(47.16,80.48) 47.71,80.48 v1(49.84,82.61) v1(51.48,84.24) 52.49,85.26 52.49,87.98 v1(54.04,89.53) v1(56.05,89.53) v1(58.19,89.53) 69.59,89.53 v1(70.4,88.72) 73.35,88.72 v1(73.42,88.64) 73.42,88.41 C1114.2 ; v1(124.94,42.71) v1(127.61,42.71) v1(130.15,42.71) v1(132.25,42.71) v1(133.01,42.71) ; v2(25.19,106.56) v2(26.08,106.56) C8115.2 ; 133.52,102.56 133.26,102.81 133.26,103.2 133.05,103.41 133.05,103.96 v1(133.01,104) ; 88.13,141.75 89.38,141.75 v2(89.39,141.74) ; v1(118.42,167.25) v1(119.8,167.25) 119.85,167.21 v1(119.85,165.21) ; v1(91.48,55.7) 91.48,55.44 v1(90.08,54.05) ; v1(117.14,116.42) 117.61,115.94 118.46,115.94 118.95,116.43 ; v1(60.35,144.49) v1(62.63,146.77) 62.91,147.04 62.91,153.11 61.22,154.79 v2(61.22,157.3) ; 118.95,116.43 118.72,116.66 117.77,116.66 116.53,117.9 v1(116.53,118.05) ; v1(124.75,168.06) 124.21,168.06 123.1,166.95 122.47,166.95 122.21,166.7 122.21,166.08 v1(122.67,165.62) ; v1(26.21,91.58) v1(25.73,92.05) v1(24.9,92.88) v1(24.21,93.58) v1(23.21,94.58) v1(22.36,95.42) ; v1(94.27,99.42) 94.79,99.42 96.13,100.76 96.13,100.76 110.25,114.88 114.15,114.88 v1(114.3,115.03) ; 101.39,51.35 v1(98.21,51.35) v1(95.67,51.35) v1(93.13,51.35) v1(90.59,51.35) v1(88.05,51.35) v1(85.51,51.35) v1(82.97,51.35) v1(80.43,51.35) v1(77.89,51.35) v1(75.61,51.35) 71.6,51.35 70.96,51.99 v1(70.96,52.16) v1(70.26,52.86) 70.26,53.78 v1(69.5,54.54) v1(68.21,55.82) 67.5,56.54 v1(67.5,57.35) v1(67.5,58.87) v1(67.5,61.09) 67.5,61.3 67.31,61.49 67.31,62.82 65.02,65.11 v1(65.02,65.86) v1(65.02,67.76) 65.02,68.02 70.23,73.22 70.91,73.22 71.84,74.15 v1(71.84,74.47) ; C4204.2 16.28,65.33 v2(16.83,65.88) ; v1(96.94,82.11) 96.88,82.17 96.11,82.17 94.02,80.08 92.41,80.08 C1404.2 91.53,79.4 v1(91.09,79.84) ; v1(21.5,105.45) 21.5,100.04 v1(23.13,98.42) v1(24.92,96.62) 28.97,92.58 v1(29.85,92.58) 33.52,92.58 v2(34.08,92.02) 34.46,91.64 v1(35.22,91.64) v1(39.62,91.64) v1(41.04,91.64) v1(42.58,91.64) 44.29,91.64 45.02,92.37 v1(45.53,92.88) ; C6818.2 34.5,46.51 v1(34.23,46.78) ; v1(91.45,90.57) 90.49,90.57 89.58,89.65 89.58,89.09 89.88,88.79 89.88,88.13 v1(90.54,87.47) ; v1(128.31,32.86) 128.31,33.22 v1(129.2,34.11) 129.45,34.36 v1(130.47,34.36) v1(133.01,34.36) v1(135.55,34.36) v1(138.09,34.36) v1(141.26,34.36) v1(142.41,34.36) 144.02,34.36 v1(144.4,34.75) 145.12,35.46 v1(145.96,35.46) v1(147.11,35.46) v1(149.65,35.46) v1(151.93,35.46) 155.96,35.46 v1(156.12,35.63) 157.33,36.84 v1(157.33,38.17) ; C7400.1 130.26,34.11 144.17,34.11 145.07,35 156.27,35 160.57,39.3 v1(160.57,39.78) ; v1(125.52,35) 125.59,35.07 v1(129.83,35.07) v1(132.37,35.07) v1(134.91,35.07) v1(137.45,35.07) v1(139.36,35.07) 142.1,35.07 142.27,35.24 v1(142.27,35.85) ; 82.81,87.96 82.81,89.13 82.72,89.23 82.72,91.02 v1(82.86,91.15) 82.86,92.26 82.33,92.79 v1(82.33,97.35) v1(82.33,98.75) 82.33,103.83 85.13,106.62 91.22,106.62 ; v1(134.28,43.63) v1(133.01,43.63) v1(132.25,43.63) v1(128.82,43.63) v1(125.14,43.63) 123.74,43.63 122.81,42.71 v1(122.6,42.71) v1(120.56,42.71) v1(117.13,42.71) v1(114.66,42.71) v1(112.12,42.71) v1(109.58,42.71) v1(107.92,42.71) v1(104.56,42.71) v1(102.27,42.71) v1(99.73,42.71) v1(97.27,42.71) v1(94.73,42.71) v1(92.19,42.71) v1(89.65,42.71) v1(87.11,42.71) v1(84.57,42.71) v1(82.46,42.71) v1(79.49,42.71) v1(76.95,42.71) v1(73.07,42.71) v1(69.55,42.71) v1(68.44,42.71) 67.96,42.71 v1(67.19,43.47) v1(66.37,44.3) v1(64.08,46.59) 63.72,46.95 60.73,46.95 60.58,47.1 53.72,47.1 50.99,49.83 v1(50.99,49.86) v1(50.99,52.01) v1(50.99,54.3) v1(50.99,56.46) 50.99,56.63 v1(52.17,57.8) v1(52.92,58.56) v1(54.26,59.9) 54.26,59.91 55.4,61.05 v1(55.41,61.05) 55.41,61.06 55.57,61.21 55.57,67.17 63.64,75.24 64.16,75.24 66.18,77.26 66.18,79.27 68.01,81.1 v1(68.01,81.28) 68.16,81.43 70.45,81.43 70.97,80.91 C1031.2 70.97,80.15 v1(70.91,80.08) 70.91,79.86 69.11,78.07 C1030.2 ; v1(37.51,139.52) v1(36.81,139.52)